# Allegro board A733_PRO2_AXP318_LPDDR4_4X_200BALL_32X1_V1_1.brd (continued)
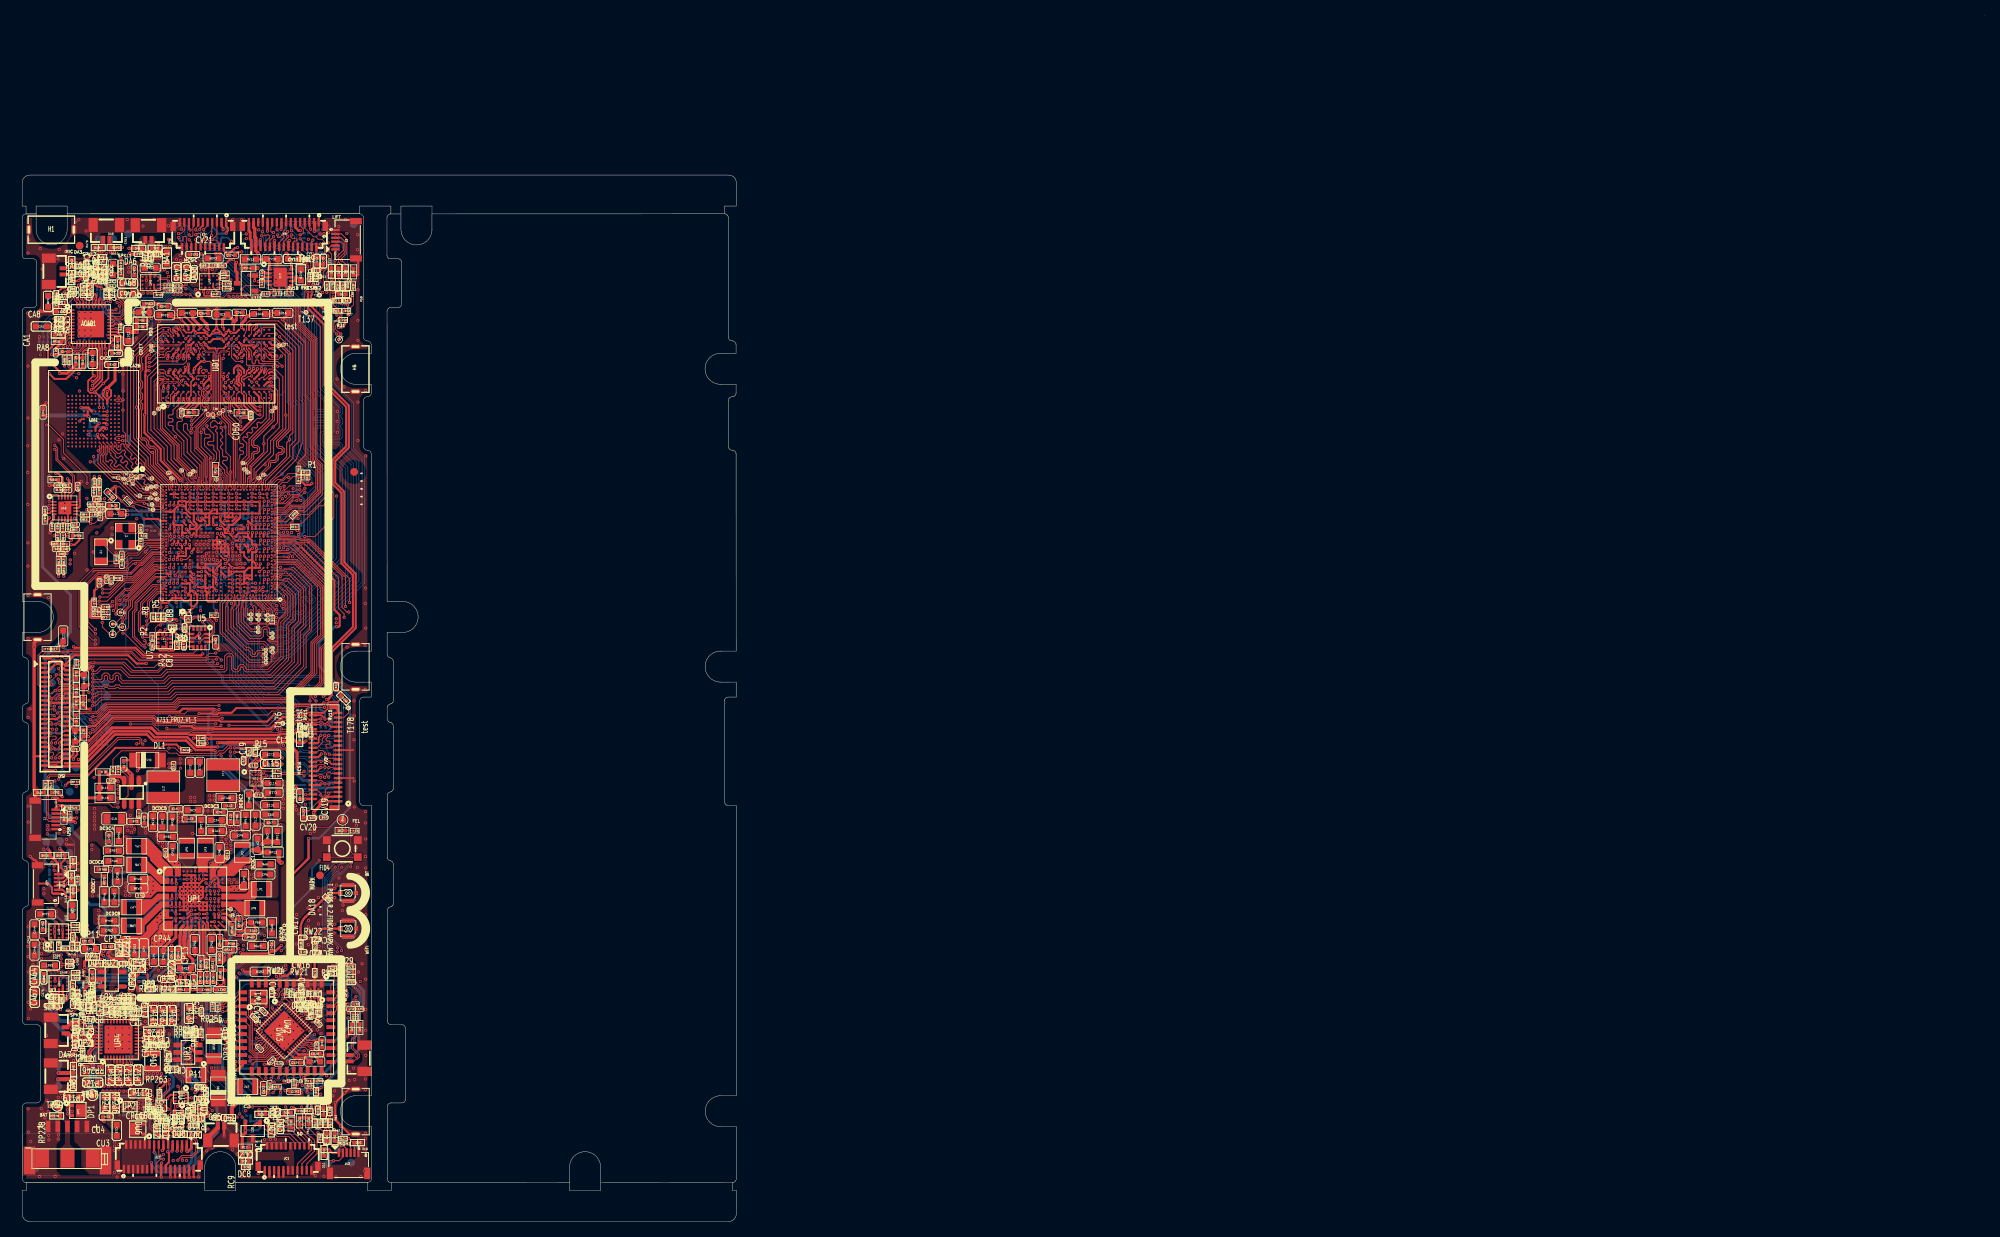
[diagram p0: board, top side]
## Routing (per net, layer and track width the routed paths; a pad name or vN(x,y) marks a point on that pad's centre or on a via; arc(x,y) is an arc through that point) (continued)
VBUS-AXP318: length 2.5
  TOP w0.203: 13.03,20.32 UP4.7 ; UP4.6 12.63,20.56 ; UP4.5 12.23,20.49 ; 11.83,20.58 UP4.4
  vias: v1(15.88,19.06) v1(15.8,18.53) v1(16.31,18.53) v1(16.39,19.08) v1(16.8,36.21) v1(16.81,35.67) v1(16.82,18.55) v1(16.91,19.09) v1(17.05,36.68) v1(17.31,36.21) v1(17.32,35.67) v1(17.33,18.53) v1(17.4,37.11) v1(17.43,19.1) v1(17.64,36.64) v1(17.81,36.04) v1(17.85,18.55) v1(17.97,37.17) v1(17.97,19.09) v1(18.2,36.65) v1(18.56,37.12)
VBUS-AXP515: length 11.9
  TOP w0.254: UP5.A2 17.09,14.96 v1(17,15.05) ; RP245.1 7.79,21.28 v1(7.2,20.69)
  L3 w0.254: v1(7.2,20.69) 7.2,19.38 9.75,16.83 v1(10.41,16.83)
  L3 w0.381: v1(17,15.05) 16.66,15.05 16.28,15.43 16.28,15.59 15.54,16.33 14.5,16.33 14.02,16.81 v1(13.64,16.81) v1(13.11,16.81)
  vias: v1(10.93,16.83) v1(11.46,16.81) v1(12,16.81) v1(12.55,16.81) v1(15.58,25.27) v1(15.87,25.82) v1(16.1,25.28) v1(16.62,25.26) v1(17.17,25.26) v1(17.7,25.26)
VBUS-USB: length 0.5
  BOTTOM w0.254: RP237.2 14.27,13.22 v1(14.27,13.22)
VCC33-18-USB: length 40.9
  TOP w0.178: U1.1F19 22.63,83.84 v1(23.14,83.84)
  TOP w0.254: RP7.2 7.63,56.7 12.03,61.11 17.91,61.11 18.35,61.54 19.9,61.54 v1(20.33,61.11)
  TOP w0.305: RP39.2 20.61,60.83 v1(20.33,61.11)
  L4 w0.178: v1(23.14,83.84) 23.14,83.83 22.52,83.21 22.52,82.04 22.54,82.01 22.54,77.03 21.48,75.97 21.48,63.51 20.33,62.36 v1(20.33,61.11)
  BOTTOM w0.254: v1(23.14,83.84) 23.07,83.77 C8.1
VCC33-18-USB-2: length 23.8
  TOP w0.178: U1.1D19 23.04,82.85 v1(23.14,82.75)
  TOP w0.305: RP50.2 RP2.2 22.13,62.39 v1(22.08,62.34)
  L4 w0.254: v1(22.08,62.34) 22.08,75.64 23.37,76.94 23.42,76.94 23.69,77.2 23.69,82.2 v1(23.14,82.75)
  BOTTOM w0.254: v1(23.14,82.75) 23.29,82.6 C108.1
VCC-5V: length 24
  TOP w0.203: v1(17.83,14.11) 17.94,14.22 UP5.B1
  L3 w0.381: v1(10.73,28.84) 10.19,28.31 10.19,27.42 10.8,26.81 17.69,26.81 18.55,25.95 18.55,24.76 v1(18.33,24.54)
  BOTTOM w0.381: v1(17.83,14.11) 17.83,15.84 19.47,17.48 19.47,18.61 18.94,19.13 18.94,20.38 18.51,20.82 18.51,22.7 18.97,23.15 v1(18.97,24.19)
VCC-5V-USB:
  vias: v1(5.04,34.39) v1(5.04,33.88) v1(5.4,50.84) v1(5.42,50.28) v1(9.65,32.65) v1(10.21,32.7)
VCC-IO: length 242
  TOP w0.203: v1(29.64,89.84) 29.62,89.82 U1.1U5
  TOP w0.254: v1(29.64,89.84) 29.13,90.35 U1.1W6 ; v1(24.16,83.4) 24.12,83.44 24.1,83.44 23.69,83.85 U1.1F17 ; R1.2 R3.1 36.8,95.57 36.8,95.57 v1(36.8,95.5) ; v1(25.85,122.8) 26.05,122.8 26.39,122.46 RA90.2 RA91.2 ; v1(36.7,14.72) 36.69,14.71 R64.1 ; R59.1 42.06,117.01 v1(42.02,116.97) ; RC3.2 32.95,14.67 v1(32.85,14.77) ; RC4.2 35.06,14.71 v1(34.74,14.71) ; v1(22.8,65.53) 24.48,65.53 24.58,65.43 25.14,65.43 25.34,65.63 27.01,65.63 27.62,66.24 v1(32.95,66.24) 34.69,66.24 35.16,66.71 38.63,66.71 38.82,66.9 v1(38.92,66.9) ; v1(38.03,118.54) 39.04,117.53 40.36,117.53 R60.1 40.39,117.34 40.58,117.14 v1(40.58,116.95)
  TOP w0.305: R63.1 39.64,14.92 39.21,15.35 v1(39.21,15.38) ; RP271.1 10.84,120.18 v1(11.22,120.56) 11.58,120.2 RP272.1 ; v1(12.66,115.93) 12.71,115.88 RA29.1 ; RP50.1 23.87,61.7 v1(23.88,61.71)
  TOP w0.381: v1(18.47,30.53) 18.47,30.52 18.47,29.95 RP242.1
  L3 w0.254: v1(40.58,116.95) 42.01,116.95 v1(42.02,116.97) ; v1(32.85,14.77) 31.82,13.74 29.87,13.74 28.74,12.61 22.75,12.61 21.7,11.56 16.83,11.56 15.07,13.31 v1(15.07,14.09) ; v1(36.8,95.5) 36.86,95.57 36.9,95.57 38.36,97.03 38.36,118.21 v1(38.03,118.54) 38.08,118.59 38.08,119.16 37.78,119.47 35.96,119.47 31.9,123.53 29.46,123.53 28.18,122.25 26.4,122.25 v1(25.85,122.8) ; v1(29.64,89.84) 29.64,89.82 30.02,89.44 31.75,89.44 33.61,87.58 34.73,87.58 36.05,86.26 36.05,77.47 34.23,75.65 34.23,71.42 32.93,70.12 32.93,66.27 v1(32.95,66.24)
  L4 w0.254: v1(21.92,17.12) 21.92,17.62 21.51,18.02 19.97,18.02 19.63,17.68 19.63,17.43 19.26,17.06 16.9,17.06 16.85,17.11 16.18,17.11 16.05,16.98 16.05,14.36 15.72,14.03 15.13,14.03 v1(15.07,14.09) ; v1(25.85,122.8) 26.08,123.02 26.08,125.19 25.67,125.6 20.16,125.6 19.92,125.36 17.58,125.36 16.75,124.52 15.24,124.52 14.7,123.99 14.7,122.84 12.42,120.56 v1(11.22,120.56)
  L4 w0.381: v1(18.47,30.53) 18.46,30.54 18.46,30.75 17.06,32.14 17.06,32.66 17.17,32.76 17.17,34.48 16.3,35.34 16.3,36.65 16.89,37.24 16.89,39.64 18.4,41.15 18.4,46.43 19.6,47.64 19.6,49.67 20.1,50.17 20.89,50.17 21.6,50.88 21.6,53.51 21.23,53.88 21.23,56.56 22.04,57.38 22.04,59.51 23.43,60.89 23.43,61.43
  BOTTOM w0.254: v1(38.92,66.9) 39.27,66.9 39.99,66.19 39.99,63.83 39.39,63.24 R39.2 39.14,63.25 R38.2 ; RA27.2 10.68,120.02 10.47,119.81 10.47,119.22 10.47,119.22 10.47,118.41 10.83,118.06 10.83,117.66 11.65,116.84 11.74,116.84 v1(12.66,115.93) ; v1(39.21,15.38) 38.16,14.33 37.09,14.33 v1(36.7,14.72) 36.7,14.68 36.29,14.28 35.17,14.28 v1(34.74,14.71) 34.36,14.33 33.29,14.33 v1(32.85,14.77) ; v1(36.8,95.5) 35.79,95.5 35.38,95.09 35.38,94.17 36.34,93.2 36.34,88.96 36.04,88.66 36.04,88.48 35.8,88.24 35.29,88.24 35.07,88.46 33.47,88.46 33.06,88.87 C17.1 31.9,89.33 C16.1 29.64,89.35 v1(29.64,89.84) 29.64,90.15 C9.1
  BOTTOM w0.305: v1(15.07,14.09) 14.94,14.09 14.52,14.51 RP234.1 ; RP272.1 11.58,120.2 v1(11.22,120.56) 10.85,120.18 RA27.2
  BOTTOM w0.381: v1(21.92,17.12) 21.92,17.72 20.05,19.58 20.05,25.29 19.47,25.87 19.47,27.29 20.08,27.9 20.08,28.65 18.47,30.25 v1(18.47,30.53)
VCC-RTC: length 80.5
  TOP w0.203: C51.1 10.41,83.12 v1(10.37,83.16) ; v1(19.33,87.35) 19.62,87.64 U1.1P25
  TOP w0.254: RP3.1 8.61,29.26 RP8.1 8.6,29.68 v1(8.61,29.69) ; v1(9.62,81.71) 9.61,81.72 9.61,81.74 9.6,81.75 9.6,82.9 9.84,83.15 10.36,83.15 v1(10.37,83.16)
  TOP w0.305: 9.27,80.17 R23.1 ; 9.27,80.17 9.29,80.2 9.29,81.38 v1(9.62,81.71) ; 9.27,80.17 8.99,80.17 8.8,79.97 8.8,78 8.92,77.88 10.41,77.88 R21.1 ; v1(8.17,26.85) 8.1,26.78 8.1,26.74 8.08,26.72 8.08,25.35 RP19.2
  L3 w0.305: v1(9.62,81.71) 8.51,80.6 8.51,70.77 7.45,69.71 7.45,61.42 7.39,61.35 7.39,60.46 7.93,59.92 7.93,47.63 8.59,46.98 8.59,41.46 8.47,41.34 8.47,39.09 7.96,38.58 7.96,37.33 8.44,36.84 8.44,33.88 8.91,33.42 8.91,30 v1(8.61,29.69) 8.74,29.56 8.74,27.64 8.17,27.08 v1(8.17,26.85)
  L4 w0.178: 16.69,87.35 v1(19.33,87.35)
  L4 w0.305: v1(10.37,83.16) 10.39,83.18
  L4 w0.356: 16.69,87.35 16.12,87.35 14.98,86.21 12.78,86.21 10.39,83.82 10.39,83.18
VCC-SENSOR: length 106.6
  TOP w0.203: RV10.2 41.12,67.47 40.69,67.03 39.52,67.03 39.39,66.9 39.39,66.8 39.39,66.8 39.39,66.16 38.86,65.63 38.16,65.63 38.12,65.67 36.84,65.67 36.5,65.33 35.04,65.33
  TOP w0.254: 24.52,74.91 24.78,75.17 C89.1 ; 24.52,74.91 24.4,74.8 U2.12 ; 24.52,74.91 24.49,74.93 v1(24.49,74.96) ; v1(20.6,78.06) 20.6,77.97 21.02,77.56 U5.B1 ; U7.3 18.09,75.91 18.48,76.3 v1(18.48,76.39) ; U7.7 17.54,73.9 17.75,73.68 v1(18.96,73.68) 19.52,73.68 R42.2 19.95,74.07 20.39,74.07 v1(20.45,74.01) 20.5,74.07 20.84,74.07 C87.1 20.98,74.16 21.11,74.16 21.14,74.19 21.96,74.19 U2.8 ; v1(20.42,76.49) 20.6,76.49 20.76,76.33 C88.1 21.46,75.8 U2.5
  TOP w0.305: 35.04,65.33 34.79,65.09 33.55,65.09 32.02,63.56 24.7,63.56 24.65,63.61 22.16,63.61 21.86,63.91 v1(20.32,63.91) ; U7.7 17.25,74.19 17.07,74.01 C96.1 ; CV9.2 41.12,68.12 RV10.2
  TOP w0.381: RP53.2 21.98,29.91 v1(21.99,29.92) RP42.2
  L3 w0.305: v1(21.99,29.92) 18.41,29.92 17.91,29.42 16.14,29.42 15.72,29.84 v1(15.67,29.84)
  L4 w0.254: v1(18.48,76.39) 18.48,76.26 19.09,75.65 19.09,74.14 18.96,74.01 v1(18.96,73.68)
  L4 w0.305: v1(15.67,29.84) 15.01,30.5 14.85,30.5 14.06,31.3 14.06,31.33 14.05,31.33 14.05,32.38 14.42,32.75 14.42,33.3 14.88,33.76 14.88,37.38 15.47,37.96 15.47,40.23 15.73,40.5 15.73,43.93 16.45,44.65 16.45,50.82 15.91,51.37 15.91,54.11 17.08,55.29 17.08,58.97 18.67,60.55 19.24,60.55 19.36,60.68 19.36,62.68 20.32,63.64 v1(20.32,63.91) 20.32,65.46 20.37,65.51 20.37,73.93 v1(20.45,74.01)
  BOTTOM w0.254: 18.58,76.49 v1(20.42,76.49) 20.42,77.89 v1(20.6,78.06) ; 18.58,76.49 v1(18.48,76.39) ; 18.58,76.49 18.73,76.64 R44.2 18.74,77.13 C97.1 ; v1(24.49,74.96) 24.49,76.75 23.21,78.03 C93.1
  BOTTOM w0.305: C93.1 C92.1 20.63,78.03 v1(20.6,78.06)
VCC-UFS-IO: length 1.4
  TOP w0.203: v1(21.55,90.38) 21.66,90.27 21.7,90.27 U1.1V20
  BOTTOM w0.254: v1(21.55,90.38) 21.23,90.7 CM8.1
VCC-VDDQ: length 18
  TOP w0.178: v1(29.31,110.05) 28.93,109.67 28.93,109.31 28.68,109.06 28.52,109.06 28.29,108.83 28.29,108.42 28.6,108.12 UD1.U3
  TOP w0.203: v1(29.99,105.82) 29.9,105.91 UD1.W1
  TOP w0.254: v1(19.99,111.48) 20.15,111.65 UD1.D8 ; v1(19.83,115.4) 20.15,115.08 UD1.D12 ; v1(19.06,109.9) 18.85,109.69 UD1.B5 ; UD1.W5 30.33,109.88 v1(30.33,110.03) ; v1(30.21,112.29) 29.9,111.98 UD1.W8 ; UD1.B10 v1(18.52,113.78) ; v1(30.23,115.43) 30.2,115.4 30.2,115.35 UD1.W12 ; UD1.AA5 31.2,109.76 31.34,109.9 v1(31.34,110) ; v1(31.5,112.97) 31.2,113.27 UD1.AA10 ; UD1.D1 20.15,105.87 v1(20.05,105.77) ; UD1.F3 v1(21.07,108.24) ; CD16.1 32.41,117.22 32.16,117.46 v1(32.07,117.46) ; UD1.U10 28.6,113.65 v1(28.84,113.89) ; UD1.AA3 31.65,108.3 v1(32.13,108.3) ; v1(18.73,111.38) 18.85,111.51 UD1.B8 ; UD1.AA8 31.2,111.48 v1(31.16,111.44) ; v1(18.78,107.51) 18.85,107.58 UD1.B3 ; v1(21.74,113.87) 21.7,113.83 21.7,113.82 21.45,113.57 UD1.F10 ; UD1.D5 20.15,109.61 v1(20.39,109.85)
  TOP w0.508: RD4.2 RD3.2 14.78,114.78 v1(14.77,114.76) 13.97,114.76 CD17.1
  BOTTOM w0.203: CD26.1 19.93,111.42 v1(19.99,111.48) ; v1(31.34,110) 31.31,109.97 CD25.1 ; 18.75,107.48 v1(18.78,107.51)
  vias: v1(8.97,48.56) v1(8.97,47.99)
VDD-CPUBFB: length 49.8
  TOP w0.102: UP1.B9 22.82,44.19 v1(22.83,44.18)
  TOP w0.127: v1(20.52,85.38) 20.55,85.4 21.18,85.4 U1.1K21
  L3 w0.102: v1(22.83,44.18) 19.74,47.27 19.74,55.99 20.78,57.03 20.78,72.97 20.84,73.02 20.84,77.24 19.53,78.55 18.89,78.55 18.27,79.17 18.27,84.91 18.4,85.04 20.18,85.04 v1(20.52,85.38)
  BOTTOM w0.102: v1(22.83,44.18) 22.83,44.67 23.27,45.1 RP268.1
VDD-CPULFB: length 56.9
  TOP w0.102: U1.1P21 21.62,87.91 21.27,88.26 v1(21.27,88.38)
  TOP w0.127: UP1.A8 v1(22.32,45.64)
  BOTTOM w0.102: v1(21.27,88.38) 20.98,88.09 20.86,88.09 20.86,88.08 15.04,88.08 13.15,86.19 13.15,81.72 13.71,81.16 13.71,79.39 13.38,79.06 13.38,73.32 17.55,69.15 17.55,58.86 16.3,57.62 16.3,52.42 19.68,49.05 19.68,47.22 21.26,45.64 v1(22.32,45.64) 22.27,45.59 RP270.1
VDD-DRAM: length 12.9
  TOP w0.102: v1(28.59,89.46) 28.54,89.46 28.43,89.35 ; U1.1U8 27.72,89.35 27.7,89.36 v1(27.64,89.36)
  TOP w0.178: 25.17,89.39 25.59,89.39 U1.1U13
  TOP w0.229: C134.1 18.96,58.56 v1(18.93,58.53) ; v1(28.59,89.46) 28.48,89.35 U1.1U8 ; U1.1W17 23.59,90.35 v1(23.16,90.78) 23.12,90.74 U1.1W18 22.9,90.35 v1(22.6,90.65) ; U1.1U13 25.21,89.35 v1(25.15,89.42)
  TOP w0.305: v1(13.61,91.2) 12.9,91.2 C77.1 12.1,91.99 C78.1
  TOP w0.381: v1(12.38,56.78) 12.28,56.88 C135.1
  L3 w0.102: 21.85,89.03 21.36,89.03 21.35,89.01 21.07,89.01 21.06,89.03 20.68,89.03 ; 20.63,89.1 20.53,89 18.66,89
  BOTTOM w0.203: C83.1 25.47,89.34 25.22,89.34 v1(25.15,89.42)
  BOTTOM w0.254: v1(28.59,89.46) 28.3,89.75 C82.1 ; C79.1 27.6,89.41 v1(27.64,89.36) ; v1(23.16,90.78) 23.19,90.75 C80.1
  BOTTOM w0.305: C81.1 22.69,90.74 v1(22.6,90.65)
  vias: v1(9.88,40.11) v1(9.88,39.55) v1(9.85,39.04) v1(9.85,38.52) v1(12.38,56.27) v1(12.38,55.76) v1(12.38,55.26) v1(24.16,54.94) v1(24.2,54.38) v1(24.75,54.93) v1(24.77,54.37)
VDD-GPUFB: length 62.5
  TOP w0.102: v1(21.25,44.16) 21.24,44.17 UP1.C5 ; U1.1R13 25.2,88.77 v1(25.18,88.77)
  L3 w0.102: v1(25.18,88.77) 18.92,88.77 18.59,88.44 17.17,88.44 16.72,88 15.2,88 13.14,85.94 13.14,83.86 13.78,83.22 13.78,65.08 13.39,64.69 13.39,58.95 13.14,58.7 13.14,50.39 13.81,49.72 16.21,49.72 16.57,49.36 16.57,47.43 19.83,44.17 21.24,44.17 v1(21.25,44.16)
  BOTTOM w0.102: RP269.1 v1(21.25,44.16)
VDD-SYSFB: length 46.4
  TOP w0.178: v1(26.19,85.42) 26.06,85.42 U1.1K13
  TOP w0.203: v1(23.37,44.7) 23.67,44.7 23.7,44.67 UP1.B11
  L3 w0.102: v1(23.37,44.7) 24.73,44.7 25.7,45.67 25.7,46.99 25.31,47.38 25.31,51.36 26.49,52.54 26.49,61.34 27.06,61.91 27.06,79.06 26.51,79.6 26.51,80.03 25.78,80.77 25.78,81.22 25.77,81.22 25.77,84.88 25.77,85 v1(26.19,85.42)
  BOTTOM w0.102: RP267.1 24.49,44.7 v1(23.37,44.7)
VDDI-EMMC: length 3
  TOP w0.102: v1(12.96,100.76) 12.21,100.76 UM1.C2 12.21,101.26 12.85,101.26 12.91,101.32 v1(12.95,101.32)
  BOTTOM w0.305: CM5.1 12.99,101.36 v1(12.95,101.32) ; CM2.1 12.97,100.75 v1(12.96,100.76)
VINT: length 1
  TOP w0.102: v1(24.77,40.68) 24.82,40.63 UP1.L13
  BOTTOM w0.102: v1(24.77,40.68) 24.7,40.61 CP20.2
VPP/VCC: length 4.1
  TOP w0.203: RA10.1 RA9.2 7.81,112.19 8.03,112.4 8.06,112.4 8.07,112.42 8.24,112.42 8.34,112.52 v1(8.35,112.52) 8.66,112.83 UA1.15
  BOTTOM w0.305: CA10.1 8.65,112.82 v1(8.35,112.52)
VRN/AGND: length 1.5
  TOP w0.203: RA26.1 5.5,115.16 5.59,115.25 5.6,115.25 5.94,115.58 UA1.6
VRP/AVCC: length 3.6
  TOP w0.203: v1(5.56,115.78) 5.58,115.78 5.68,115.89 5.79,115.89 5.88,115.98 UA1.5
  TOP w0.381: v1(3.88,115.25) 3.65,115.48 CA1.2
  L3 w0.254: v1(3.88,115.25) 5.02,115.25 v1(5.56,115.78)
AECLN: length 28.2
  TOP w0.102: v1(5.46,110.37) 5.46,110.38 RA88.1 ; RA84.2 8.95,91.22 CA97.2 8.96,90.66 v1(8.87,90.56)
  L3 w0.102: v1(7.01,108.86) 6.85,108.71 6.85,99.96 6.5,99.61 6.5,94.29 6.85,93.93 6.85,92.58 v1(8.87,90.56)
  BOTTOM w0.102: RA86.1 4.62,114.37 4.62,112.05 5.46,111.21 v1(5.46,110.37) 5.46,110.23 6.82,108.86 v1(7.01,108.86)
AECLP: length 30.4
  TOP w0.102: v1(6.03,110.36) 6.11,110.44 RA87.1 ; CA94.2 9.97,90.71 9.34,90.08 8.87,90.08 v1(8.85,90.05) 8.36,90.54 RA83.2
  L3 w0.102: v1(7.3,109.4) 7.04,109.4 6.65,109.01 6.65,100.05 6.3,99.7 6.3,94.2 6.65,93.84 6.65,92.28 8.85,90.09 v1(8.85,90.05)
  BOTTOM w0.102: RA85.1 4.86,114.29 4.86,112.09 5.9,111.05 5.9,110.49 v1(6.03,110.36) 6.03,109.95 6.58,109.4 v1(7.3,109.4)
AECRN: length 43.4
  TOP w0.102: v1(4.11,88.48) 4.24,88.61 CA87.2 4.59,89.27 RA82.2 ; RA80.1 9.7,121.28 v1(9.55,121.44)
  L3 w0.102: v1(9.55,121.44) 8.57,122.41 7.77,122.41 6.58,121.22 6.58,118.21 6.18,117.82 6.18,115.21 4.39,113.41 4.39,102.25 2.27,100.13 2.27,89.47 3.62,88.12 4.79,88.12 4.89,88.22 4.9,88.33 4.75,88.48 v1(4.11,88.48)
AECRP: length 45.3
  TOP w0.102: RA81.2 5.26,88.62 CA84.2 5.65,88.6 5.77,88.48 5.77,88.4 5.79,88.39 5.89,88.39 v1(5.9,88.38) ; v1(9.37,124.23) 9.58,124.44 RA79.1
  L3 w0.102: v1(5.9,88.38) 5.34,88.38 4.87,87.91 3.54,87.91 2.06,89.39 2.06,100.21 4.19,102.34 4.19,113.5 5.98,115.29 5.98,117.9 6.37,118.3 6.37,121.31 7.68,122.62 8.58,122.62 9.37,123.4 v1(9.37,124.23)
AFVCC-CSI: length 3.4
  TOP w0.381: CP44.2 20.34,35.29 20.34,36.93 20.4,36.99 20.4,37.75 UP1.R5
AGND/VRP: length 1.6
  TOP w0.203: RA8.1 5.18,114.41 5.71,114.94 5.73,114.94 5.97,115.18 UA1.7
ALDO1: length 163.4
  TOP w0.229: v1(20.42,87.33) 20.62,87.13 U1.1M23
  TOP w0.254: U1.1E19 22.62,83.34 22.68,83.28 v1(23.11,83.28) ; RV11.2 35.64,63.49 34.85,62.7 ; v1(16.03,31.95) 16.2,31.79 RP9.1 16.2,29.94 RP10.1 ; v1(19.82,39.14) 19.82,39.14 UP1.P3 ; v1(7.03,52.06) 7,52.09 RU1.1 ; C20.1 10.36,82.66 v1(10.37,82.65)
  TOP w0.305: v1(10.49,34.3) 10.4,34.39 10.28,34.39 10.01,34.66 10.01,34.69 CP11.2 ; RP39.1 21.62,60.83 21.7,60.76 v1(21.76,60.76) ; v1(36.58,62.01) 36.35,61.78 RV9.2 35.43,61.78 34.85,62.36 34.85,62.7 34.66,62.89 33.23,62.89 33.09,62.75 24.35,62.75 24.3,62.8 21.64,62.8 v1(21.51,62.93)
  TOP w0.381: CP12.2 8.85,36.07 9.54,35.38 CP11.2 8.66,34.28 RP4.1 8.04,33.51 v1(8.04,32.77) ; v1(21.51,62.93) 21.5,62.94 17.41,62.94 16.66,63.69 11.58,63.69 7.49,59.6 v1(7.26,59.6)
  L3 w0.381: v1(10.37,82.65) 9.27,82.65 8.06,81.44 8.06,70.95 7.01,69.9 7.01,61.61 6.94,61.54 6.94,60.27 7.26,59.96 v1(7.26,59.6) 6.34,58.69 6.34,55.86 6.6,55.6 6.6,53.4 6.49,53.29 6.49,52.6 v1(7.03,52.06) 7.49,51.6 7.49,47.43 8.15,46.78 8.15,41.65 8.02,41.53 8.02,39.28 7.51,38.77 7.51,37.14 7.98,36.67 7.98,33.35 8.06,33.27 8.06,32.79 v1(8.04,32.77)
  L4 w0.178: v1(20.42,87.33) 20.01,87.74 18.99,87.74 ; v1(23.11,83.28) 22.77,82.94 22.77,82.15 22.8,82.13 22.8,80.13 22.99,79.94 v1(22.99,78.83) 22.85,78.69 22.85,76.97 22.83,76.95 22.83,76.91 21.76,75.84 21.76,63.18 v1(21.51,62.93)
  L4 w0.254: v1(36.74,66.08) 36.74,66.05 36.85,65.94 36.85,65.16 36.55,64.86 36.55,62.05 v1(36.58,62.01) ; v1(10.37,82.65) 10.04,82.65 9.91,82.78 9.91,84.7 12.96,87.74 18.99,87.74
  L4 w0.305: v1(21.51,62.93) 21.51,61.01 v1(21.76,60.76)
  BOTTOM w0.254: v1(10.49,34.3) 10.79,34 13.11,34 17.26,38.14 18.82,38.14 v1(19.82,39.14) ; C7.1 v1(23,78.83) ; v1(8.04,32.77) 8.26,32.77 9.13,31.9 14.06,31.9 14.55,32.39 15.18,32.39 15.62,31.95 v1(16.03,31.95)
  BOTTOM w0.305: v1(36.74,66.08) 37.32,66.66 CV8.2 37.87,66.65 RV12.2
ALDO2: length 120
  TOP w0.254: UP1.J3 19.82,40.61 v1(19.82,40.61) ; v1(38.46,125.59) 38.32,125.59 38.16,125.75 JV1.2 37.93,124.4 CV5.1 ; v1(38.74,119.89) 38.37,119.52 T132.1
  TOP w0.305: JV2.2 36.53,54.52 v1(36.51,54.49) 36.49,54.51 CV17.1 ; CP13.2 19.27,35.64 v1(19.29,35.65)
  L3 w0.254: 19.51,35.65 v1(19.29,35.65)
  L3 w0.305: v1(38.46,125.59) 38.46,125.53 38.22,125.28 38.22,122.7 38.74,122.18 v1(38.74,119.89) 38.74,95.4 38.22,94.88 38.22,89.81 38.23,89.8 38.23,76.46 36.66,74.89 36.66,70.15 35.57,69.06 35.57,64.78 36.05,64.3 36.05,58.46 35.89,58.3 35.89,57.29 36.1,57.07 36.1,55.61 36.1,55.61 36.1,54.9 v1(36.51,54.49) 36.9,54.1 36.9,54.08 36.95,54.02 36.95,53.64 36.58,53.28 36.58,51.89 31.94,47.25 31.94,43.29 31.01,42.37 31.01,38.85 30.17,38.01 30.17,35.71 28.54,34.09 27.57,34.09 26,35.65 19.51,35.65
  L4 w0.305: v1(19.29,35.65) 20,35.65 20.39,36.04 20.39,39.9 19.82,40.47 v1(19.82,40.61)
  BOTTOM w0.254: v1(36.51,54.49) 36.06,54.05 36.06,53.46 T156.1
ALDO3: length 133.9
  TOP w0.254: v1(38.83,67.78) 38.95,67.78 39.58,68.41 39.58,73.65 42.65,76.71 42.65,83.42 41.17,84.9 41.17,94 40.01,95.16 40.01,98.26 41.78,100.02 41.78,105.1 38.98,107.9 38.98,115.67 36.85,117.8 v1(36.85,119.9) ; JV3.2 26.01,125.26 CV24.1 26.6,124.77 27.43,125.6 27.71,125.6 v1(27.77,125.67) ; v1(20.38,40.61) 20.32,40.67 UP1.J4
  TOP w0.381: v1(20.44,31.75) 20.44,31.43 20.28,31.28 CP140.2
  L3 w0.254: v1(36.85,119.9) 35.95,120.8 35.95,122.11 32.66,125.4 29.29,125.4 29.02,125.67 v1(27.77,125.67) ; v1(20.44,31.75) 20.85,31.34 27.19,31.34 27.42,31.11 27.99,31.11 32.28,35.41 32.28,37.31 32.76,37.8 32.76,41.43 34.09,42.76 34.09,45.83 38.26,50 38.26,54.55 37.71,55.09 37.71,57.66 37.72,57.66 37.72,65.65 38.49,66.42 38.49,67.54 38.73,67.78 v1(38.83,67.78)
  L4 w0.305: v1(20.38,40.61) 21.34,39.65 21.34,34.64 21.83,34.16 21.83,33.37 20.45,32 20.45,31.76 v1(20.44,31.75)
ALDO5: length 141.1
  TOP w0.203: UA1.25 11.76,115.58 12,115.82 v1(12.12,115.82) ; UA1.33 9.86,118.73 9.88,118.74 9.88,118.87 v1(10.04,119.04)
  TOP w0.254: CP17.2 10.63,35.01 v1(10.47,34.85) ; RA59.1 7.37,87.91 6.78,87.31 v1(6.32,87.31) ; v1(4.85,109.45) 4.85,109.65 3.33,111.16 3.33,112.39 4.22,113.28 RA16.1 ; v1(10.24,120.39) 10.24,120.41 10.04,120.61 9.7,120.61 9.13,121.18 v1(8.96,121.18) ; v1(19.83,39.67) 19.82,39.68 UP1.L3
  TOP w0.381: v1(4.85,109.45) 5.82,109.45 6.93,110.56 RA10.2
  L3 w0.381: v1(4.85,109.45) 4.85,102.08 2.61,99.85 2.61,92.07 3.28,91.4 4.6,91.4 6.83,89.18 6.83,87.68 6.55,87.4 6.52,87.4 6.5,87.37 6.38,87.37 v1(6.32,87.31) 5.43,87.31 3.57,85.45 3.57,82.05 5.03,80.59 5.03,76.65 1.78,73.4 1.78,40.23 1.47,39.92 1.47,35.86 2.03,35.3 v1(2.5,35.3)
  L4 w0.254: v1(8.96,121.18) 8.17,120.39 6.78,120.39 6.27,120.9 5.25,120.9 4.49,120.14 4.49,117.22 4.88,116.83 4.88,114.54 4.85,114.5 v1(4.85,109.45)
  BOTTOM w0.254: RA17.2 8.95,121.18 v1(8.96,121.18) ; v1(12.12,115.82) 10.41,117.54 10.41,117.93 10.02,118.32 CA18.2 9.87,118.86 v1(10.04,119.04) 10.04,119.23 10.1,119.29 10.1,120.26 v1(10.24,120.39) 10.24,120.82 RA14.1 ; v1(19.83,39.67) 19.38,40.12 18.69,40.12 18.57,40.25 18.21,40.25 18.18,40.22 17.39,40.22 15.72,38.55 15.72,37.11 12.99,34.38 11.69,34.38 11.21,34.86 10.83,34.86 10.82,34.85 v1(10.47,34.85)
  BOTTOM w0.305: v1(10.47,34.85) 10.43,34.89 3.22,34.89 2.8,35.3 v1(2.5,35.3)
ALS-INT: length 48
  TOP w0.102: v1(19.53,84.34) 19.62,84.44 U1.1H25 ; v1(38.5,64.85) 38.48,64.83 38.12,64.83 38.01,64.72 JV2.36 37.02,64.72 36.72,65.01 35.27,65.01 34.93,64.68 33.58,64.68 32.16,63.26 24.57,63.26 24.52,63.31 22.03,63.31 21.81,63.52 18.77,63.52 v1(18.65,63.64)
  L4 w0.102: v1(18.65,63.64) 18.63,63.66 18.63,66.52 19.58,67.48 19.58,76.1 16.2,79.48 16.2,82 18.21,84.01 19.2,84.01 v1(19.53,84.34)
  BOTTOM w0.102: v1(38.5,64.85) 38.53,64.88 RV21.1 37.88,65.48 RV12.1 37.33,65.47 T177.1
ANT0: length 2
  TOP w0.305: UW1.5 UW2.2 RW21.1
ANT1: length 4.7
  TOP w0.305: RW18.1 CW16.2 UW2.4
AP-CK32K-OUT: length 110.6
  TOP w0.076: U1.U36 17.58,86.8 17.48,86.7
  TOP w0.102: 17.48,86.7 16.66,86.7 15.25,85.29 14.24,85.29 13.18,84.23 9.15,84.23 7.32,82.4 7.32,76.77 9.08,75.02 v1(9.44,75.02) ; RW34.1 32.59,17.38 RW37.1 32.6,16.87 v1(32.35,16.62)
  L4 w0.102: v1(26.26,22.58) 25.6,21.92 20.42,21.92 19.99,21.49 17.67,21.49 15.97,19.79 10.41,19.79 8.68,21.51 8.68,25.51 7.18,27.01 7.18,27.51 6.59,28.1 6.59,32.75 7.53,33.69 7.53,36.28 6.65,37.16 6.65,42.45 6.54,42.57 6.54,46.57 7.69,47.73 7.69,49.8 8.91,51.01 8.91,57.57 11.24,59.89 11.24,73.22 v1(9.44,75.02)
  BOTTOM w0.102: v1(26.26,22.58) 26.27,22.58 26.69,22.16 26.69,19.62 29.8,16.51 32.24,16.51 v1(32.35,16.62)
AP-NMI: length 104.1
  TOP w0.102: v1(25.35,42.66) 25.32,42.63 UP1.G14
  TOP w0.114: v1(10.27,29.09) 9.67,28.5 9.39,28.5 9.29,28.6 RP3.2 9.11,28.1 RP5.2 ; U1.1M26 19.12,86.44 v1(19,86.32)
  L3 w0.102: v1(22.33,28.21) 21.98,27.85 20.75,27.85 v1(20.11,27.22)
  L4 w0.102: v1(10.27,29.09) 10.27,29.08 10.3,29.05 10.3,28.77 10.58,28.49 10.77,28.49 11.74,27.51 19.82,27.51 v1(20.11,27.22)
  L4 w0.114: v1(22.33,28.21) 23.41,28.21 24.75,29.54 26.26,29.54 30.13,33.41 30.13,38.8 26.27,42.66 v1(25.35,42.66) ; v1(19,86.32) 18.42,86.32 13.49,81.39 12.34,81.39 11.23,80.29 11.23,78.89 11.12,78.78 11.12,78.22 11.53,77.81 11.53,75.91 12.9,74.54 12.9,58.86 11.11,57.07 11.11,49.93 10.03,48.86 10.03,47.04 9.84,46.85 9.84,41.03 10.32,40.55 10.32,37.53 10.7,37.15 10.7,36.7 9.99,35.99 9.99,33.66 10.21,33.44 10.73,33.44 10.96,33.21 10.96,31.38 9.98,30.4 9.98,29.39 v1(10.27,29.09)
  BOTTOM w0.102: C48.1 19.01,86.31 v1(19,86.32)
AP-RESET: length 247.9
  TOP w0.102: C37.1 11.5,82.26 v1(11.34,82.09) ; v1(23.73,41.68) 23.73,42.08 UP1.G11 ; R52.1 41.1,11.3 v1(41.08,11.31)
  TOP w0.114: v1(20.73,86.32) 20.71,86.33 20.71,86.34 20.21,86.85 U1.1M24 ; v1(42.91,121.39) 42.99,121.3 42.99,120.71 42.72,120.43 R28.1 ; v1(9.53,28.94) 9.53,29.03 9.29,29.27 RP8.2 ; v1(8.69,26.76) 8.5,26.56 RP243.2 ; v1(8.36,95.25) 8.36,96.14 5.34,99.16 5.34,100.89 3.45,102.78 3.14,102.78 v1(3.13,102.77)
  L3 w0.114: v1(22.26,27.16) 21.13,27.16 v1(20.08,26.11) ; v1(3.13,102.77) 3.1,102.77 1.61,104.27 1.61,115.96 4.14,118.49 4.14,124.23 8.77,128.87 18.54,128.87 18.85,129.18 26.55,129.18 27.08,128.65 29.34,128.65 29.88,129.18 40.81,129.18 42.74,127.25 42.74,121.55 v1(42.91,121.39)
  L4 w0.102: v1(11.34,82.09) 12.73,82.09 17.47,86.83 20.22,86.83 v1(20.73,86.32)
  L4 w0.114: v1(20.08,26.11) 19.44,26.11 18.58,26.98 11.11,26.98 9.53,28.55 v1(9.53,28.94) 9.38,29.09 9.38,30.61 9.28,30.71 9.28,37.06 9.16,37.17 9.16,38.65 8.41,39.39 8.41,46.24 9.48,47.31 9.48,49.07 10.56,50.15 10.56,57.28 12.38,59.09 12.38,74.22 10.41,76.19 10.41,76.48 ; v1(11.34,82.09) 11.34,81.13 10.68,80.47 10.68,79.64 10.5,79.46 10.5,78.03 10.97,77.56 10.97,76.9 10.55,76.48 10.41,76.48 ; 10.41,76.48 10.26,76.48 8.76,77.98 8.76,89.29 9.33,89.86 9.33,94.28 v1(8.36,95.25) ; v1(28.79,38.01) 29.61,37.18 29.61,34.19 26.64,31.22 24.24,31.22 21.66,28.64 21.66,27.99 22.26,27.4 v1(22.26,27.16)
  BOTTOM w0.102: v1(28.79,38.01) 28.66,38.14 28.09,38.14 26.83,39.39 26.83,40.04 25.62,41.25 24.16,41.25 23.83,41.58 23.82,41.58 v1(23.73,41.68)
  BOTTOM w0.114: v1(9.53,28.94) 9.53,27.6 v1(8.69,26.76) ; v1(41.08,11.31) 38.98,11.31 37.84,10.17 28.24,10.17 26.3,12.11 26.3,15.92 22.93,19.29 22.93,20.93 22.53,21.34 22.53,22.3 21.97,22.86 21.97,25.73 21.72,25.97 21.72,26.63 v1(22.26,27.16)
AP-WAKE-BT: length 99.3
  TOP w0.076: U1.R36 18.34,85.76 16.95,85.76 15.5,84.32 15.36,84.32
  TOP w0.114: UW3.1 33.31,27.58 v1(33.31,27.95) 32.73,27.95 32.42,28.26 32.42,28.77 32.57,28.92 32.98,28.92 33.16,29.1 33.16,29.44 34.11,30.39 UW2.6 ; v1(10.36,81.6) 11.38,81.6 12.67,82.88 RW38.2 12.84,83.19 14.24,83.19 15.36,84.32
  L3 w0.114: v1(10.36,81.6) 10.23,81.6 8.86,80.23 8.86,74.12 9.48,73.49 9.48,61.49 8.28,60.29 8.28,47.8 9.42,46.66 9.42,41.84 8.78,41.21 8.78,34.39 10.09,33.08 10.82,33.08 11.35,32.55 11.35,29.43 11.22,29.3 11.22,27.61 11.57,27.27 14.86,27.27 16.21,28.63 18.39,28.63 18.77,29.01 23.4,29.01 24.43,27.98 27.01,27.98 29.64,30.61 31.71,30.61 32.29,30.02 32.29,28.48 32.66,28.11 33.15,28.11 v1(33.31,27.95)
AVCC/VRA1: length 3.5
  TOP w0.203: UA1.8 6.04,114.78 5.89,114.64 5.84,114.64 5.53,114.32 5.53,114.08 5.24,113.79 5.24,113.73 RA16.2
  TOP w0.254: CA14.1 4.34,112.65
  TOP w0.381: RA16.2 5.07,113.45 4.87,113.25 4.87,113.18 4.34,112.65
BACKUP: length 1.1
  TOP w0.102: UP1.L15 25.95,40.3 26.88,40.3 T55.1
BLDO1: length 111.7
  TOP w0.229: U1.1H11 26.62,84.82 v1(27.12,84.32) 27.15,84.35 U1.1G9 28.08,84.35 v1(28.1,84.38)
  TOP w0.254: v1(28.1,84.38) 28.13,84.35 U1.1G7 ; JV2.1 40.7,54.24 39.44,54.24 39.37,54.17 v1(39.35,54.17) ; v1(26.31,127.51) 26.31,127.65 26.51,127.85 26.51,128.21 26.31,128.41 JV3.1 ; RV2.1 37.83,121.58 RV3.1 37.15,121.25 v1(36.95,121.06)